# Altium PCB PCB3.PcbDoc (part 5 of 9) (continued)
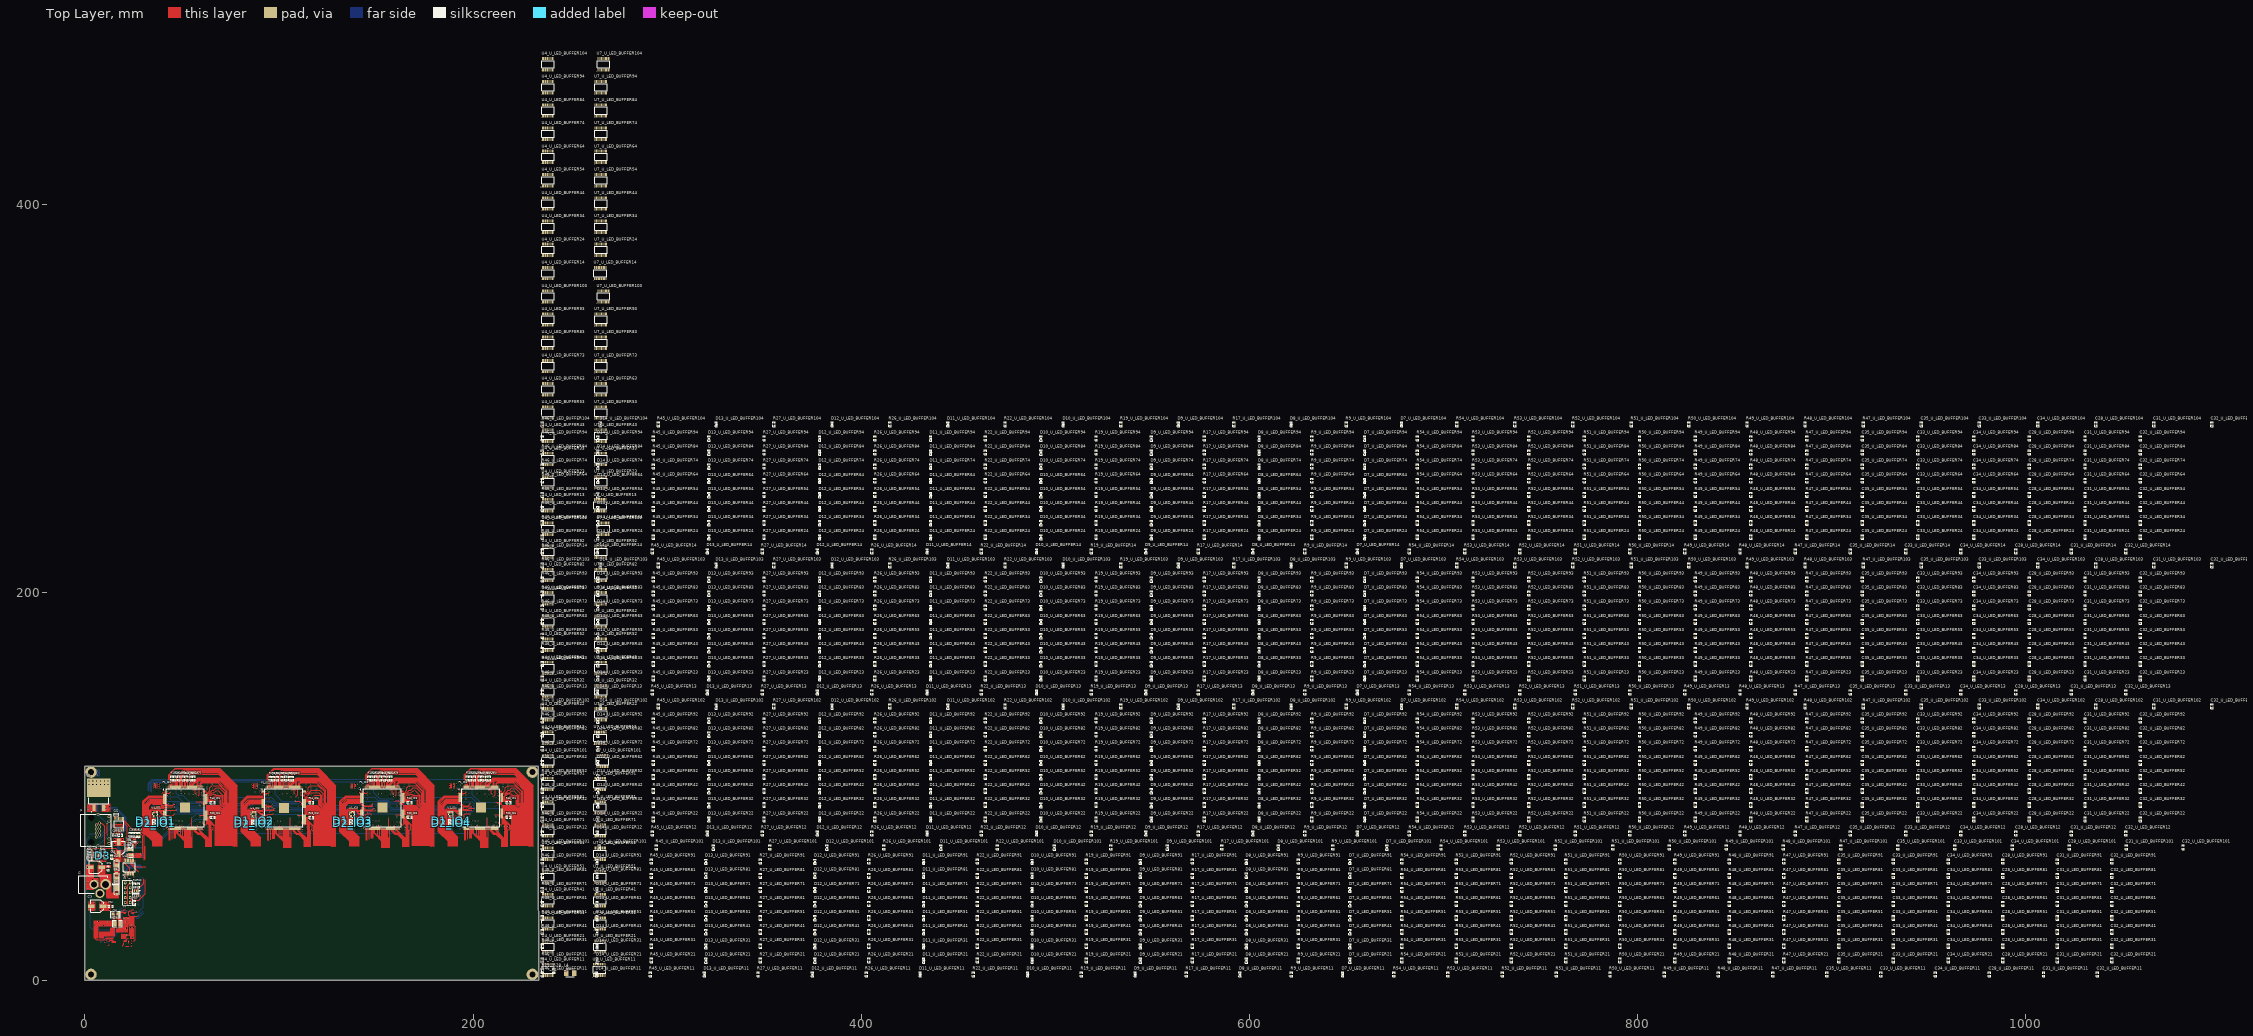
[diagram p0: Top Layer view]
## Nets (pads, with @x,y where several pads share a name; then routed paths per layer and width w, separated by ;. In a path a pad name is that pad's centre, name@x,y a point inside that pad or via, vN(x,y) a via of type N, cw(c..) or ccw(c..) an arc to the next point about the centre after c; other vN are vias at no path point) (continued)
  Bottom Layer w0.508: C39.1@25.612,39.46 25.643,39.429 27.606,39.429 C37.1@27.637,39.398 ; C38.1@25.615,49.631 25.642,49.658 27.584,49.658 C36.1@27.611,49.685
  other v1: 16.416,33.146 2.039,36.399 4.878,36.399 14.502,38.233 27.615,38.942 4.83,40.016 2.054,40.049 1.523,47.234 27.21,49.676 1.549,50.586 6.654,51.298 3.962,52.085 1.472,53.711 4.038,55.768 12.067,56.664 1.422,58.359 1.798,60.981 13.998,64.851 10.351,65.545 10.351,66.952 24.454,67.994 22.859,68.675 15.389,70.067 19.399,70.067 21.256,72.269 23.458,72.307 15.389,72.663 19.399,72.663 21.256,73.367 23.537,76.288 86.857,80.87 36.029,80.936 137.578,80.957 188.454,80.961 18.599,81.139 16.026,81.185 86.847,82.404 36.019,82.47 137.568,82.492 188.444,82.495 85.714,84.705 34.886,84.771 136.435,84.793 187.311,84.797 16.685,84.904 3.334,87.268 1.556,88.284 3.334,89.3 1.556,90.57 55.49,94.672 156.989,94.731 221.322,95.566 53.489,96.165 104.299,96.186 103.24,105.254 52.412,105.32 153.961,105.341 204.837,105.345
GPIO_0_IO1: P1_IO1.14 R47_U_LED_BUFFER11.2 | length 38.2
  Top Layer w0.178: 31.054,62.364 31.054,69.209 ; 37.615,69.234 37.615,72.833 32.767,77.681 32.767,89.777 34.259,91.269 P1_IO1.14@40.944,91.269
GPIO_0_IO2: P1_IO2.14 R47_U_LED_BUFFER12.2 | length 31.3
  Top Layer w0.178: 88.443,69.168 88.443,72.767 83.595,77.615 83.595,89.711 85.087,91.203 P1_IO2.14@91.772,91.203
GPIO_0_IO3: P1_IO3.14 R47_U_LED_BUFFER13.2 | length 31.3
  Top Layer w0.178: 139.164,69.256 139.164,72.855 134.316,77.703 134.316,89.799 135.808,91.291 P1_IO3.14@142.493,91.291
GPIO_0_IO4: P1_IO4.14 R47_U_LED_BUFFER14.2 | length 31.3
  Top Layer w0.178: 190.04,69.259 190.04,72.859 185.192,77.707 185.192,89.802 186.685,91.295 P1_IO4.14@193.369,91.295
GPIO_1_IO1: P1_IO1.11 R48_U_LED_BUFFER11.2 | length 33.7
  Top Layer w0.178: 36.353,69.234 36.353,72.311 31.411,77.253 31.411,90.339 33.842,92.769 P1_IO1.11@40.944,92.769
GPIO_1_IO2: P1_IO2.11 R48_U_LED_BUFFER12.2 | length 33.7
  Top Layer w0.178: 87.181,69.168 87.181,72.245 82.239,77.187 82.239,90.272 84.67,92.703 P1_IO2.11@91.772,92.703
GPIO_1_IO3: P1_IO3.11 R48_U_LED_BUFFER13.2 | length 33.7
  Top Layer w0.178: 137.903,69.256 137.903,72.333 132.961,77.275 132.961,90.36 135.391,92.791 P1_IO3.11@142.493,92.791
GPIO_1_IO4: P1_IO4.11 R48_U_LED_BUFFER14.2 | length 33.7
  Top Layer w0.178: 188.779,69.259 188.779,72.336 183.837,77.279 183.837,90.364 186.267,92.795 P1_IO4.11@193.369,92.795
GPIO_2_IO1: P1_IO1.12 R49_U_LED_BUFFER11.2 | length 33
  Top Layer w0.178: 36.727,69.234 36.727,72.466 31.767,77.425 31.767,90.191 33.845,92.269 P1_IO1.12@40.944,92.269
GPIO_2_IO2: P1_IO2.12 R49_U_LED_BUFFER12.2 | length 33
  Top Layer w0.178: 87.555,69.168 87.555,72.4 82.595,77.359 82.595,90.125 84.673,92.203 P1_IO2.12@91.772,92.203
GPIO_2_IO3: P1_IO3.12 R49_U_LED_BUFFER13.2 | length 33
  Top Layer w0.178: 138.276,69.256 138.276,72.487 133.316,77.447 133.316,90.213 135.394,92.291 P1_IO3.12@142.493,92.291
GPIO_2_IO4: P1_IO4.12 R49_U_LED_BUFFER14.2 | length 33
  Top Layer w0.178: 189.152,69.259 189.152,72.491 184.192,77.451 184.192,90.217 186.27,92.295 P1_IO4.12@193.369,92.295
GPIO_3_IO1: P1_IO1.13 R50_U_LED_BUFFER11.2 | length 32.2
  Top Layer w0.178: 37.171,69.234 37.171,72.65 32.267,77.553 32.267,89.984 34.052,91.769 P1_IO1.13@40.944,91.769
GPIO_3_IO2: P1_IO2.13 R50_U_LED_BUFFER12.2 | length 32.2
  Top Layer w0.178: 87.999,69.168 87.999,72.584 83.095,77.487 83.095,89.918 84.88,91.703 P1_IO2.13@91.772,91.703
GPIO_3_IO3: P1_IO3.13 R50_U_LED_BUFFER13.2 | length 32.2
  Top Layer w0.178: 138.72,69.256 138.72,72.671 133.816,77.575 133.816,90.006 135.601,91.791 P1_IO3.13@142.493,91.791
GPIO_3_IO4: P1_IO4.13 R50_U_LED_BUFFER14.2 | length 32.2
  Top Layer w0.178: 189.596,69.259 189.596,72.675 184.692,77.579 184.692,90.01 186.477,91.795 P1_IO4.13@193.369,91.795
GPIO_4_IO1: P1_IO1.10 R51_U_LED_BUFFER11.2 | length 34.6
  Top Layer w0.178: 35.998,69.234 35.998,72.164 31.056,77.106 31.056,90.894 33.431,93.269 P1_IO1.10@40.944,93.269
GPIO_4_IO2: P1_IO2.10 R51_U_LED_BUFFER12.2 | length 34.6
  Top Layer w0.178: 86.826,69.168 86.826,72.098 81.884,77.04 81.884,90.828 84.259,93.203 P1_IO2.10@91.772,93.203
GPIO_4_IO3: P1_IO3.10 R51_U_LED_BUFFER13.2 | length 34.6
  Top Layer w0.178: 137.547,69.256 137.547,72.185 132.605,77.127 132.605,90.916 134.98,93.291 P1_IO3.10@142.493,93.291
GPIO_4_IO4: P1_IO4.10 R51_U_LED_BUFFER14.2 | length 34.6
  Top Layer w0.178: 188.423,69.259 188.423,72.189 183.481,77.131 183.481,90.92 185.856,93.295 P1_IO4.10@193.369,93.295
GPIO_5_IO1: P1_IO1.6 R52_U_LED_BUFFER11.2 | length 37.5
  Top Layer w0.178: 34.83,69.234 34.83,71.68 29.779,76.731 29.779,92.241 32.807,95.269 P1_IO1.6@40.944,95.269
GPIO_5_IO2: P1_IO2.6 R52_U_LED_BUFFER12.2 | length 37.5
  Top Layer w0.178: 85.658,69.168 85.658,71.614 80.607,76.665 80.607,92.175 83.634,95.203 P1_IO2.6@91.772,95.203
GPIO_5_IO3: P1_IO3.6 R52_U_LED_BUFFER13.2 | length 37.5
  Top Layer w0.178: 136.379,69.256 136.379,71.702 131.328,76.753 131.328,92.263 134.356,95.291 P1_IO3.6@142.493,95.291
GPIO_5_IO4: P1_IO4.6 R52_U_LED_BUFFER14.2 | length 37.5
  Top Layer w0.178: 187.255,69.259 187.255,71.705 182.204,76.757 182.204,92.267 185.232,95.295 P1_IO4.6@193.369,95.295
GPIO_6_IO1: P1_IO1.7 R53_U_LED_BUFFER11.2 | length 36.8
  Top Layer w0.178: 35.251,69.234 35.251,71.855 30.28,76.825 30.28,92.24 32.809,94.769 P1_IO1.7@40.944,94.769
GPIO_6_IO2: P1_IO2.7 R53_U_LED_BUFFER12.2 | length 36.8
  Top Layer w0.178: 86.079,69.168 86.079,71.788 81.108,76.759 81.108,92.174 83.637,94.703 P1_IO2.7@91.772,94.703
GPIO_6_IO3: P1_IO3.7 R53_U_LED_BUFFER13.2 | length 36.8
  Top Layer w0.178: 136.8,69.256 136.8,71.876 131.83,76.847 131.83,92.262 134.359,94.791 P1_IO3.7@142.493,94.791
GPIO_6_IO4: P1_IO4.7 R53_U_LED_BUFFER14.2 | length 36.8
  Top Layer w0.178: 187.677,69.259 187.677,71.88 182.706,76.851 182.706,92.266 185.235,94.795 P1_IO4.7@193.369,94.795
GPIO_7_IO1: P1_IO1.8 R54_U_LED_BUFFER11.2 | length 36
  Top Layer w0.178: 35.607,69.234 35.607,72.002 30.692,76.917 30.692,91.945 33.017,94.269 P1_IO1.8@40.944,94.269
GPIO_7_IO2: P1_IO2.8 R54_U_LED_BUFFER12.2 | length 36
  Top Layer w0.178: 86.435,69.168 86.435,71.936 81.52,76.851 81.52,91.879 83.844,94.203 P1_IO2.8@91.772,94.203
GPIO_7_IO3: P1_IO3.8 R54_U_LED_BUFFER13.2 | length 36
  Top Layer w0.178: 137.156,69.256 137.156,72.023 132.241,76.938 132.241,91.966 134.566,94.291 P1_IO3.8@142.493,94.291
GPIO_7_IO4: P1_IO4.8 R54_U_LED_BUFFER14.2 | length 36
  Top Layer w0.178: 188.032,69.259 188.032,72.027 183.117,76.942 183.117,91.97 185.442,94.295 P1_IO4.8@193.369,94.295
GPIO_8_IO1: P1_IO1.141 R47_U_LED_BUFFER21.2 | length 78.7
  Top Layer w0.178: P1_IO1.141@44.432,99.757 44.432,102.069 43.119,103.382 43.119,105.966 46.507,109.354 69.604,109.354 78.529,100.43 78.529,68.998
GPIO_8_IO2: P1_IO2.141 R47_U_LED_BUFFER22.2 | length 78.7
  Top Layer w0.178: P1_IO2.141@95.26,99.691 95.26,102.003 93.947,103.316 93.947,105.9 97.335,109.288 120.432,109.288 129.357,100.363 129.357,68.932
GPIO_8_IO3: P1_IO3.141 R47_U_LED_BUFFER23.2 | length 78.7
  Top Layer w0.178: P1_IO3.141@145.981,99.779 145.981,102.091 144.668,103.404 144.668,105.987 148.056,109.376 171.153,109.376 180.078,100.451 180.078,69.019
GPIO_8_IO4: P1_IO4.141 R47_U_LED_BUFFER24.2 | length 78.7
  Top Layer w0.178: P1_IO4.141@196.857,99.783 196.857,102.094 195.544,103.408 195.544,105.991 198.932,109.379 222.03,109.379 230.954,100.455 230.954,69.023
GPIO_9_IO1: P1_IO1.132 R48_U_LED_BUFFER21.2 | length 69.7
  Top Layer w0.178: P1_IO1.132@48.932,99.757 48.932,102.72 49.11,102.898 49.11,105.612 51.75,108.252 69.197,108.252 77.462,99.988 77.462,69.081
GPIO_9_IO2: P1_IO2.132 R48_U_LED_BUFFER22.2 | length 69.7
  Top Layer w0.178: P1_IO2.132@99.76,99.691 99.76,102.654 99.938,102.832 99.938,105.546 102.578,108.186 120.025,108.186 128.29,99.922 128.29,69.014
GPIO_9_IO3: P1_IO3.132 R48_U_LED_BUFFER23.2 | length 69.7
  Top Layer w0.178: P1_IO3.132@150.481,99.779 150.481,102.742 150.659,102.919 150.659,105.633 153.299,108.274 170.747,108.274 179.011,100.009 179.011,69.102
GPIO_9_IO4: P1_IO4.132 R48_U_LED_BUFFER24.2 | length 69.7
  Top Layer w0.178: P1_IO4.132@201.357,99.783 201.357,102.746 201.535,102.923 201.535,105.637 204.176,108.278 221.623,108.278 229.887,100.013 229.887,69.106
GPIO_10_IO1: P1_IO1.135 R49_U_LED_BUFFER21.2 | length 71.8
  Top Layer w0.178: P1_IO1.135@47.432,99.757 47.432,105.187 50.888,108.643 69.31,108.643 77.818,100.135 77.818,69.123
GPIO_10_IO2: P1_IO2.135 R49_U_LED_BUFFER22.2 | length 71.8
  Top Layer w0.178: P1_IO2.135@98.26,99.691 98.26,105.121 101.716,108.577 120.138,108.577 128.645,100.069 128.645,69.057
GPIO_10_IO3: P1_IO3.135 R49_U_LED_BUFFER23.2 | length 71.8
  Top Layer w0.178: P1_IO3.135@148.981,99.779 148.981,105.208 152.437,108.664 170.859,108.664 179.367,100.157 179.367,69.145
GPIO_10_IO4: P1_IO4.135 R49_U_LED_BUFFER24.2 | length 71.8
  Top Layer w0.178: P1_IO4.135@199.857,99.783 199.857,105.212 203.313,108.668 221.735,108.668 230.243,100.16 230.243,69.149
GPIO_11_IO1: P1_IO1.140 R50_U_LED_BUFFER21.2 | length 77.3
  Top Layer w0.178: P1_IO1.140@44.932,99.757 44.932,102.072 43.599,103.405 43.599,105.943 46.654,108.998 69.457,108.998 78.173,100.282 78.173,69.145
GPIO_11_IO2: P1_IO2.140 R50_U_LED_BUFFER22.2 | length 77.3
  Top Layer w0.178: P1_IO2.140@95.76,99.691 95.76,102.006 94.426,103.339 94.426,105.876 97.482,108.932 120.285,108.932 129.001,100.216 129.001,69.079
GPIO_11_IO3: P1_IO3.140 R50_U_LED_BUFFER23.2 | length 77.3
  Top Layer w0.178: P1_IO3.140@146.481,99.779 146.481,102.093 145.148,103.427 145.148,105.964 148.204,109.02 171.006,109.02 179.722,100.304 179.722,69.166
GPIO_11_IO4: P1_IO4.140 R50_U_LED_BUFFER24.2 | length 77.3
  Top Layer w0.178: P1_IO4.140@197.357,99.783 197.357,102.097 196.024,103.431 196.024,105.968 199.08,109.024 221.882,109.024 230.599,100.308 230.599,69.17
GPIO_12_IO1: P1_IO1.131 R51_U_LED_BUFFER21.2 | length 68.5
  Top Layer w0.178: P1_IO1.131@49.432,99.757 49.432,102.717 49.576,102.862 49.576,105.437 51.981,107.842 69.105,107.842 77.106,99.84 77.106,68.899
GPIO_12_IO2: P1_IO2.131 R51_U_LED_BUFFER22.2 | length 68.5
  Top Layer w0.178: P1_IO2.131@100.26,99.691 100.26,102.651 100.404,102.796 100.404,105.371 102.809,107.776 119.933,107.776 127.934,99.774 127.934,68.833
GPIO_12_IO3: P1_IO3.131 R51_U_LED_BUFFER23.2 | length 68.5
  Top Layer w0.178: P1_IO3.131@150.981,99.779 150.981,102.739 151.126,102.883 151.126,105.459 153.53,107.864 170.654,107.864 178.656,99.862 178.656,68.92
GPIO_12_IO4: P1_IO4.131 R51_U_LED_BUFFER24.2 | length 68.5
  Top Layer w0.178: P1_IO4.131@201.857,99.783 201.857,102.743 202.002,102.887 202.002,105.463 204.407,107.867 221.53,107.867 229.532,99.866 229.532,68.924
GPIO_13_IO1: P1_IO1.124 R52_U_LED_BUFFER21.2 | length 61.8
  Top Layer w0.178: P1_IO1.124@52.932,99.757 52.932,102.357 54.088,103.513 54.088,106.214 54.192,106.318 68.944,106.318 76.04,99.223 76.04,69.341
GPIO_13_IO2: P1_IO2.124 R52_U_LED_BUFFER22.2 | length 61.8
  Top Layer w0.178: P1_IO2.124@103.76,99.691 103.76,102.291 104.916,103.447 104.916,106.148 105.02,106.252 119.772,106.252 126.867,99.157 126.867,69.275
GPIO_13_IO3: P1_IO3.124 R52_U_LED_BUFFER23.2 | length 61.8
  Top Layer w0.178: P1_IO3.124@154.481,99.779 154.481,102.378 155.637,103.534 155.637,106.235 155.742,106.34 170.493,106.34 177.589,99.244 177.589,69.362
GPIO_13_IO4: P1_IO4.124 R52_U_LED_BUFFER24.2 | length 61.8
  Top Layer w0.178: P1_IO4.124@205.357,99.783 205.357,102.382 206.514,103.538 206.514,106.239 206.618,106.343 221.37,106.343 228.465,99.248 228.465,69.366
GPIO_14_IO1: P1_IO1.127 R53_U_LED_BUFFER21.2 | length 64.7
  Top Layer w0.178: P1_IO1.127@51.432,99.757 51.432,102.756 51.84,103.165 51.84,105.557 53.415,107.131 68.81,107.131 76.395,99.546 76.395,69.193
GPIO_14_IO2: P1_IO2.127 R53_U_LED_BUFFER22.2 | length 64.7
  Top Layer w0.178: P1_IO2.127@102.26,99.691 102.26,102.69 102.668,103.099 102.668,105.49 104.243,107.065 119.638,107.065 127.223,99.48 127.223,69.127
GPIO_14_IO3: P1_IO3.127 R53_U_LED_BUFFER23.2 | length 64.7
  Top Layer w0.178: P1_IO3.127@152.981,99.779 152.981,102.778 153.39,103.186 153.39,105.578 154.964,107.152 170.359,107.152 177.944,99.567 177.944,69.215
GPIO_14_IO4: P1_IO4.127 R53_U_LED_BUFFER24.2 | length 64.7
  Top Layer w0.178: P1_IO4.127@203.857,99.783 203.857,102.782 204.266,103.19 204.266,105.582 205.84,107.156 221.236,107.156 228.821,99.571 228.821,69.219
GPIO_15_IO1: P1_IO1.130 R54_U_LED_BUFFER21.2 | length 67.1
  Top Layer w0.178: P1_IO1.130@49.932,99.757 49.932,105.223 52.195,107.486 68.957,107.486 76.751,99.693 76.751,69.046
GPIO_15_IO2: P1_IO2.130 R54_U_LED_BUFFER22.2 | length 67.1
  Top Layer w0.178: P1_IO2.130@100.76,99.691 100.76,105.157 103.023,107.42 119.785,107.42 127.579,99.627 127.579,68.98
GPIO_15_IO3: P1_IO3.130 R54_U_LED_BUFFER23.2 | length 67.1
  Top Layer w0.178: P1_IO3.130@151.481,99.779 151.481,105.245 153.745,107.508 170.507,107.508 178.3,99.715 178.3,69.068
GPIO_15_IO4: P1_IO4.130 R54_U_LED_BUFFER24.2 | length 67.1
  Top Layer w0.178: P1_IO4.130@202.357,99.783 202.357,105.248 204.621,107.512 221.383,107.512 229.176,99.718 229.176,69.072
GPIO_16_IO1: P1_IO1.120 R47_U_LED_BUFFER31.2 | length 55.5
  Top Layer w0.178: P1_IO1.120@54.932,99.757 54.932,100.948 56.882,102.898 56.882,103.374 58.02,104.512 70.248,104.512 75.684,99.075 75.684,69.488
GPIO_16_IO2: P1_IO2.120 R47_U_LED_BUFFER32.2 | length 55.5
  Top Layer w0.178: P1_IO2.120@105.76,99.691 105.76,100.882 107.71,102.832 107.71,103.308 108.848,104.446 121.076,104.446 126.512,99.009 126.512,69.422
GPIO_16_IO3: P1_IO3.120 R47_U_LED_BUFFER33.2 | length 55.5
  Top Layer w0.178: P1_IO3.120@156.481,99.779 156.481,100.969 158.431,102.919 158.431,103.395 159.57,104.533 171.797,104.533 177.233,99.097 177.233,69.51
GPIO_16_IO4: P1_IO4.120 R47_U_LED_BUFFER34.2 | length 55.5
  Top Layer w0.178: P1_IO4.120@207.357,99.783 207.357,100.973 209.308,102.923 209.308,103.399 210.446,104.537 222.673,104.537 228.109,99.101 228.109,69.513
GPIO_17_IO1: P1_IO1.114 R48_U_LED_BUFFER31.2 | length 51.1
  Top Layer w0.178: P1_IO1.114@57.932,99.757 57.932,102.439 58.076,102.583 58.076,103.059 58.462,103.445 69.702,103.445 74.617,98.53 74.617,69.488
GPIO_17_IO2: P1_IO2.114 R48_U_LED_BUFFER32.2 | length 51.1
  Top Layer w0.178: P1_IO2.114@108.76,99.691 108.76,102.373 108.904,102.517 108.904,102.993 109.29,103.379 120.53,103.379 125.445,98.464 125.445,69.422
GPIO_17_IO3: P1_IO3.114 R48_U_LED_BUFFER33.2 | length 51.1
  Top Layer w0.178: P1_IO3.114@159.481,99.779 159.481,102.461 159.626,102.605 159.626,103.081 160.012,103.467 171.251,103.467 176.166,98.551 176.166,69.51
GPIO_17_IO4: P1_IO4.114 R48_U_LED_BUFFER34.2 | length 51.1
  Top Layer w0.178: P1_IO4.114@210.357,99.783 210.357,102.464 210.502,102.609 210.502,103.085 210.888,103.47 222.127,103.47 227.043,98.555 227.043,69.513
GPIO_18_IO1: P1_IO1.118 R49_U_LED_BUFFER31.2 | length 53.1
  Top Layer w0.178: P1_IO1.118@55.932,99.757 55.932,100.942 57.593,102.603 57.593,103.079 58.315,103.801 69.953,103.801 74.973,98.781 74.973,69.488
GPIO_18_IO2: P1_IO2.118 R49_U_LED_BUFFER32.2 | length 53.1
  Top Layer w0.178: P1_IO2.118@106.76,99.691 106.76,100.876 108.421,102.537 108.421,103.013 109.143,103.735 120.781,103.735 125.801,98.715 125.801,69.422
GPIO_18_IO3: P1_IO3.118 R49_U_LED_BUFFER33.2 | length 53.1
  Top Layer w0.178: P1_IO3.118@157.481,99.779 157.481,100.964 159.143,102.625 159.143,103.101 159.864,103.822 171.502,103.822 176.522,98.802 176.522,69.51
GPIO_18_IO4: P1_IO4.118 R49_U_LED_BUFFER34.2 | length 53.1
  Top Layer w0.178: P1_IO4.118@208.357,99.783 208.357,100.967 210.019,102.629 210.019,103.104 210.74,103.826 222.378,103.826 227.398,98.806 227.398,69.513
GPIO_19_IO1: P1_IO1.119 R50_U_LED_BUFFER31.2 | length 54.3
  Top Layer w0.178: P1_IO1.119@55.432,99.757 55.432,100.945 57.238,102.751 57.238,103.226 58.168,104.156 70.1,104.156 75.328,98.928 75.328,69.488
GPIO_19_IO2: P1_IO2.119 R50_U_LED_BUFFER32.2 | length 54.3
  Top Layer w0.178: P1_IO2.119@106.26,99.691 106.26,100.879 108.066,102.685 108.066,103.16 108.996,104.09 120.928,104.09 126.156,98.862 126.156,69.422
GPIO_19_IO3: P1_IO3.119 R50_U_LED_BUFFER33.2 | length 54.3
  Top Layer w0.178: P1_IO3.119@156.981,99.779 156.981,100.966 158.787,102.772 158.787,103.248 159.717,104.178 171.649,104.178 176.878,98.95 176.878,69.51
GPIO_19_IO4: P1_IO4.119 R50_U_LED_BUFFER34.2 | length 54.3
  Top Layer w0.178: P1_IO4.119@207.857,99.783 207.857,100.97 209.663,102.776 209.663,103.252 210.593,104.182 222.526,104.182 227.754,98.954 227.754,69.513
GPIO_20_IO1: P1_IO1.113 R51_U_LED_BUFFER31.2 | length 49.8
  Top Layer w0.178: P1_IO1.113@58.432,99.757 58.432,102.912 58.536,103.016 69.628,103.016 74.262,98.382 74.262,69.488
GPIO_20_IO2: P1_IO2.113 R51_U_LED_BUFFER32.2 | length 49.8
  Top Layer w0.178: P1_IO2.113@109.26,99.691 109.26,102.846 109.364,102.95 120.456,102.95 125.089,98.316 125.089,69.422
GPIO_20_IO3: P1_IO3.113 R51_U_LED_BUFFER33.2 | length 49.8
  Top Layer w0.178: P1_IO3.113@159.981,99.779 159.981,102.933 160.085,103.038 171.177,103.038 175.811,98.404 175.811,69.51
GPIO_20_IO4: P1_IO4.113 R51_U_LED_BUFFER34.2 | length 49.8
  Top Layer w0.178: P1_IO4.113@210.857,99.783 210.857,102.937 210.962,103.041 222.053,103.041 226.687,98.408 226.687,69.513
GPIO_21_IO1: P1_IO1.106 R52_U_LED_BUFFER31.2 | length 41.8
  Top Layer w0.178: P1_IO1.106@62.42,96.769 62.481,96.83 63.246,96.83 64.304,97.888 64.304,99.326 65.361,100.383 69.467,100.383 72.641,97.209 72.641,91.367 73.195,90.813 73.195,69.488
GPIO_21_IO2: P1_IO2.106 R52_U_LED_BUFFER32.2 | length 41.8
  Top Layer w0.178: P1_IO2.106@113.248,96.703 113.309,96.764 114.074,96.764 115.132,97.822 115.132,99.26 116.189,100.317 120.294,100.317 123.469,97.143 123.469,91.301 124.023,90.747 124.023,69.422
GPIO_21_IO3: P1_IO3.106 R52_U_LED_BUFFER33.2 | length 41.8
  Top Layer w0.178: P1_IO3.106@163.969,96.791 164.03,96.852 164.795,96.852 165.853,97.91 165.853,99.347 166.91,100.405 171.016,100.405 174.191,97.23 174.191,91.388 174.744,90.835 174.744,69.51
GPIO_21_IO4: P1_IO4.106 R52_U_LED_BUFFER34.2 | length 41.8
  Top Layer w0.178: P1_IO4.106@214.845,96.795 214.907,96.856 215.671,96.856 216.729,97.913 216.729,99.351 217.787,100.409 221.892,100.409 225.067,97.234 225.067,91.392 225.62,90.839 225.62,69.513
GPIO_22_IO1: P1_IO1.110 R53_U_LED_BUFFER31.2 | length 45
  Top Layer w0.178: P1_IO1.110@59.932,99.757 59.932,101.448 60.484,102 68.353,102 72.997,97.356 72.997,91.514 73.55,90.961 73.55,69.488
GPIO_22_IO2: P1_IO2.110 R53_U_LED_BUFFER32.2 | length 45
  Top Layer w0.178: P1_IO2.110@110.76,99.691 110.76,101.382 111.312,101.934 119.181,101.934 123.825,97.29 123.825,91.448 124.378,90.895 124.378,69.422
GPIO_22_IO3: P1_IO3.110 R53_U_LED_BUFFER33.2 | length 45
  Top Layer w0.178: P1_IO3.110@161.481,99.779 161.481,101.47 162.033,102.022 169.902,102.022 174.546,97.377 174.546,91.535 175.099,90.982 175.099,69.51
GPIO_22_IO4: P1_IO4.110 R53_U_LED_BUFFER34.2 | length 45
  Top Layer w0.178: P1_IO4.110@212.357,99.783 212.357,101.473 212.909,102.025 220.778,102.025 225.422,97.381 225.422,91.539 225.976,90.986 225.976,69.513
GPIO_23_IO1: P1_IO1.111 R54_U_LED_BUFFER31.2 | length 46.9
  Top Layer w0.178: P1_IO1.111@59.432,99.757 59.432,101.655 60.277,102.5 69.073,102.5 73.39,98.183 73.39,91.624 73.906,91.108 73.906,69.488
GPIO_23_IO2: P1_IO2.111 R54_U_LED_BUFFER32.2 | length 46.9
  Top Layer w0.178: P1_IO2.111@110.26,99.691 110.26,101.589 111.105,102.434 119.901,102.434 124.218,98.117 124.218,91.558 124.734,91.042 124.734,69.422
GPIO_23_IO3: P1_IO3.111 R54_U_LED_BUFFER33.2 | length 46.9
  Top Layer w0.178: P1_IO3.111@160.981,99.779 160.981,101.677 161.826,102.522 170.622,102.522 174.939,98.205 174.939,91.646 175.455,91.129 175.455,69.51
GPIO_23_IO4: P1_IO4.111 R54_U_LED_BUFFER34.2 | length 46.9
  Top Layer w0.178: P1_IO4.111@211.857,99.783 211.857,101.681 212.702,102.525 221.499,102.525 225.815,98.209 225.815,91.649 226.331,91.133 226.331,69.513
GPIO_24_IO1: P1_IO1.105 R47_U_LED_BUFFER41.2 | length 39.2
  Top Layer w0.178: P1_IO1.105@62.42,96.269 63.889,96.269 65.688,98.068 66.388,98.068 67.577,99.258 69.097,99.258 71.996,96.359 71.996,91.25 72.839,90.407 72.839,69.488
GPIO_24_IO2: P1_IO2.105 R47_U_LED_BUFFER42.2 | length 38.2
  Top Layer w0.178: P1_IO2.105@113.248,96.203 114.717,96.203 116.516,98.002 121.115,98.002 122.824,96.293 122.824,91.183 123.667,90.341 123.667,69.422
GPIO_24_IO3: P1_IO3.105 R47_U_LED_BUFFER43.2 | length 39.2
  Top Layer w0.178: P1_IO3.105@163.969,96.291 165.438,96.291 167.237,98.09 167.937,98.09 169.127,99.279 170.647,99.279 173.546,96.38 173.546,91.271 174.388,90.429 174.388,69.51
GPIO_24_IO4: P1_IO4.105 R47_U_LED_BUFFER44.2 | length 39.2
  Top Layer w0.178: P1_IO4.105@214.845,96.295 216.314,96.295 218.113,98.093 218.813,98.093 220.003,99.283 221.523,99.283 224.422,96.384 224.422,91.275 225.264,90.432 225.264,69.513
GPIO_25_IO1: P1_IO1.100 R48_U_LED_BUFFER41.2 | length 34.3
  Top Layer w0.178: P1_IO1.100@62.42,93.769 65.621,93.769 67.013,95.162 69.608,95.162 70.096,94.674 70.096,90.723 71.772,89.046 71.772,69.488
GPIO_25_IO2: P1_IO2.100 R48_U_LED_BUFFER42.2 | length 32.8
  Top Layer w0.178: P1_IO2.100@113.248,93.703 116.449,93.703 116.854,94.108 118.915,94.108 119.389,94.108 120.187,94.108 120.924,93.371 120.924,90.657 122.6,88.98 122.6,69.422
GPIO_25_IO3: P1_IO3.100 R48_U_LED_BUFFER43.2 | length 34.3
  Top Layer w0.178: P1_IO3.100@163.969,93.791 167.17,93.791 168.562,95.183 171.158,95.183 171.645,94.696 171.645,90.745 173.321,89.068 173.321,69.51
GPIO_25_IO4: P1_IO4.100 R48_U_LED_BUFFER44.2 | length 34.3
  Top Layer w0.178: P1_IO4.100@214.845,93.795 218.046,93.795 219.438,95.187 222.034,95.187 222.521,94.7 222.521,90.748 224.198,89.072 224.198,69.513
GPIO_26_IO1: P1_IO1.101 R49_U_LED_BUFFER41.2 | length 35.6
  Top Layer w0.178: P1_IO1.101@62.42,94.269 63.725,94.269 65.53,96.074 67.194,96.074 67.722,95.547 70.229,95.547 70.662,95.113 70.662,90.968 72.128,89.503 72.128,69.488
GPIO_26_IO2: P1_IO2.101 R49_U_LED_BUFFER42.2 | length 35.2
  Top Layer w0.178: P1_IO2.101@113.248,94.203 114.553,94.203 114.871,94.52 117.589,94.52 118.549,95.481 121.057,95.481 121.49,95.047 121.49,90.902 122.956,89.437 122.956,69.422
GPIO_26_IO3: P1_IO3.101 R49_U_LED_BUFFER43.2 | length 35.6
  Top Layer w0.178: P1_IO3.101@163.969,94.291 165.275,94.291 167.08,96.096 168.744,96.096 169.271,95.569 171.778,95.569 172.212,95.135 172.212,90.99 173.677,89.524 173.677,69.51
GPIO_26_IO4: P1_IO4.101 R49_U_LED_BUFFER44.2 | length 35.6
  Top Layer w0.178: P1_IO4.101@214.845,94.295 216.151,94.295 217.956,96.1 219.62,96.1 220.147,95.573 222.654,95.573 223.088,95.139 223.088,90.993 224.553,89.528 224.553,69.513
GPIO_27_IO1: P1_IO1.102 R50_U_LED_BUFFER41.2 | length 37.5
  Top Layer w0.178: P1_IO1.102@62.42,94.769 63.366,94.769 65.336,96.74 66.44,96.74 67.555,97.855 68.679,97.855 71.278,95.256 71.278,91.333 72.483,90.128 72.483,69.488
GPIO_27_IO2: P1_IO2.102 R50_U_LED_BUFFER42.2 | length 36.6
  Top Layer w0.178: P1_IO2.102@113.248,94.703 114.194,94.703 116.164,96.674 120.622,96.674 122.106,95.19 122.106,91.267 123.311,90.062 123.311,69.422
GPIO_27_IO3: P1_IO3.102 R50_U_LED_BUFFER43.2 | length 37.5
  Top Layer w0.178: P1_IO3.102@163.969,94.791 164.915,94.791 166.885,96.761 167.989,96.761 169.124,97.896 170.209,97.896 172.827,95.278 172.827,91.355 174.033,90.149 174.033,69.51
GPIO_27_IO4: P1_IO4.102 R50_U_LED_BUFFER44.2 | length 37.5
  Top Layer w0.178: P1_IO4.102@214.845,94.795 215.791,94.795 217.762,96.765 218.865,96.765 219.98,97.88 221.105,97.88 223.703,95.281 223.703,91.359 224.909,90.153 224.909,69.513
GPIO_28_IO1: P1_IO1.99 R51_U_LED_BUFFER41.2 | length 33.4
  Top Layer w0.178: P1_IO1.99@62.42,93.269 66.089,93.269 67.456,94.635 69.203,94.635 69.74,94.098 69.74,90.576 71.417,88.899 71.417,69.488
GPIO_28_IO2: P1_IO2.99 R51_U_LED_BUFFER42.2 | length 32.1
  Top Layer w0.178: P1_IO2.99@113.248,93.203 116.917,93.203 117.271,93.557 120.235,93.557 120.568,93.224 120.568,90.51 122.245,88.833 122.245,69.422
GPIO_28_IO3: P1_IO3.99 R51_U_LED_BUFFER43.2 | length 33.4
  Top Layer w0.178: P1_IO3.99@163.969,93.291 167.639,93.291 169.005,94.657 170.752,94.657 171.289,94.12 171.289,90.597 172.966,88.921 172.966,69.51
GPIO_28_IO4: P1_IO4.99 R51_U_LED_BUFFER44.2 | length 33.4
  Top Layer w0.178: P1_IO4.99@214.845,93.295 218.515,93.295 219.881,94.661 221.628,94.661 222.165,94.124 222.165,90.601 223.842,88.924 223.842,69.513
GPIO_29_IO1: P1_IO1.91 R52_U_LED_BUFFER41.2 | length 26.7
  Top Layer w0.178: P1_IO1.91@62.42,89.269 62.425,89.264 68.605,89.264 70.348,87.521 70.348,69.488
GPIO_29_IO2: P1_IO2.91 R52_U_LED_BUFFER42.2 | length 26.7
  Top Layer w0.178: P1_IO2.91@113.248,89.203 113.253,89.198 119.433,89.198 121.176,87.455 121.176,69.422
GPIO_29_IO3: P1_IO3.91 R52_U_LED_BUFFER43.2 | length 26.7
  Top Layer w0.178: P1_IO3.91@163.969,89.291 163.974,89.286 170.154,89.286 171.897,87.543 171.897,69.51
GPIO_29_IO4: P1_IO4.91 R52_U_LED_BUFFER44.2 | length 26.7
  Top Layer w0.178: P1_IO4.91@214.845,89.295 214.85,89.29 221.03,89.29 222.773,87.546 222.773,69.513
GPIO_30_IO1: P1_IO1.92 R53_U_LED_BUFFER41.2 | length 27.5
  Top Layer w0.178: P1_IO1.92@62.42,89.769 62.425,89.764 68.812,89.764 70.705,87.871 70.705,69.488
GPIO_30_IO2: P1_IO2.92 R53_U_LED_BUFFER42.2 | length 27.5
  Top Layer w0.178: P1_IO2.92@113.248,89.703 113.253,89.698 119.64,89.698 121.533,87.805 121.533,69.422
GPIO_30_IO3: P1_IO3.92 R53_U_LED_BUFFER43.2 | length 27.5
  Top Layer w0.178: P1_IO3.92@163.969,89.791 163.974,89.786 170.361,89.786 172.255,87.892 172.255,69.51
GPIO_30_IO4: P1_IO4.92 R53_U_LED_BUFFER44.2 | length 27.5
  Top Layer w0.178: P1_IO4.92@214.845,89.795 214.85,89.79 221.237,89.79 223.131,87.896 223.131,69.513
GPIO_31_IO1: P1_IO1.93 R54_U_LED_BUFFER41.2 | length 28.2
  Top Layer w0.178: P1_IO1.93@62.42,90.269 62.425,90.264 69.019,90.264 71.061,88.222 71.061,69.488
GPIO_31_IO2: P1_IO2.93 R54_U_LED_BUFFER42.2 | length 28.2
  Top Layer w0.178: P1_IO2.93@113.248,90.203 113.253,90.198 119.847,90.198 121.889,88.156 121.889,69.422
GPIO_31_IO3: P1_IO3.93 R54_U_LED_BUFFER43.2 | length 28.2
  Top Layer w0.178: P1_IO3.93@163.969,90.291 163.974,90.286 170.568,90.286 172.61,88.244 172.61,69.51
GPIO_31_IO4: P1_IO4.93 R54_U_LED_BUFFER44.2 | length 28.2
  Top Layer w0.178: P1_IO4.93@214.845,90.295 214.85,90.29 221.444,90.29 223.486,88.248 223.486,69.513
GPIO_32_IO1: P1_IO1.90 R47_U_LED_BUFFER51.2 | length 25.9
  Top Layer w0.178: P1_IO1.90@62.42,88.769 62.425,88.764 68.398,88.764 69.992,87.17 69.992,69.488